# KiCad board LTC6811_ESP32_V3.kicad_pcb (continued)
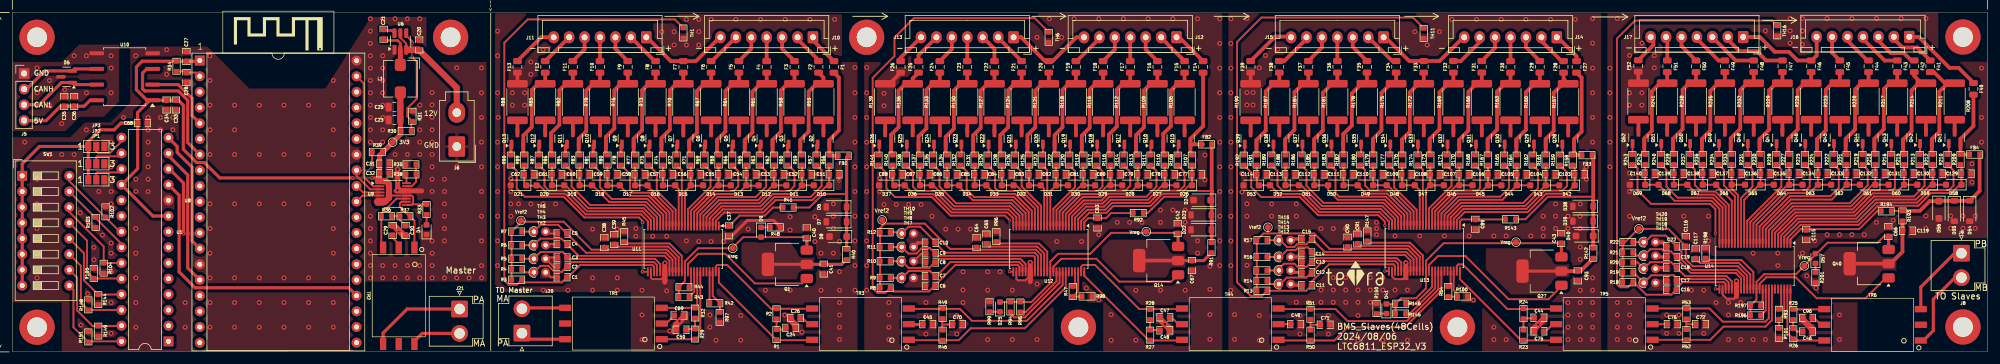
[diagram p0: board, top side]
## Routing (per net, layer and track width the routed paths; a pad name or vN(x,y) marks a point on that pad's centre or on a via; arc(x,y) is an arc through that point) (continued)
/Slaves/LTC6811_2/cell7/S: length 10.2
  Top w0.3: U12.13 167.65,29.41 166.82,30.23 R123.1
/Slaves/LTC6811_2/cell8/C: length 13.8
  Top w0.3: D30.1 R119.1 ; D30.1 D29.2 ; D30.1 173.16,26.96 169.15,22.95 U12.10
/Slaves/LTC6811_2/cell8/C+: length 15.6
  Top w0.6: R119.2 173.25,32.13 Q19.2 173.25,35.01 174.53,36.28 174.53,42.48 175.46,43.42 R115.1 F18.2
/Slaves/LTC6811_2/cell8/S: length 11.7
  Top w0.3: U12.11 168.65,23.16 172.15,26.66 172.15,29.28 R120.1
/Slaves/LTC6811_2/cell9/S: length 14.8
  Top w0.3: R117.1 176.6,29.23 176.6,26.8 175.86,26.06 172.96,26.06 169.65,22.74 U12.9
/Slaves/LTC6811_2/cell10/C: length 20.1
  Top w0.3: D28.1 R113.1 ; D28.1 180.95,25.61 177.53,25.61 176.43,24.51 173.54,24.51 171.15,22.12 U12.6 ; D28.1 D27.2
/Slaves/LTC6811_2/cell10/C+: length 15.5
  Top w0.6: F16.2 R109.1 184.41,43.42 183.32,42.33 183.32,36.38 182.05,35.11 Q17.2 182.05,32.13 R113.2
/Slaves/LTC6811_2/cell10/C-: length 15.6
  Top w0.6: F17.2 R112.1 179.86,43.42 178.93,42.48 178.93,36.48 177.65,35.21 Q18.2 177.65,32.13 R116.2
/Slaves/LTC6811_2/cell10/CM: length 16.9
  Top w0.3: D29.1 177.46,26.96 176.06,25.56 173.17,25.56 170.15,22.54 U12.8 ; D29.1 D28.2 ; D29.1 R116.1
/Slaves/LTC6811_2/cell10/S: length 18.1
  Top w0.3: U12.7 170.65,22.33 173.38,25.06 176.27,25.06 177.32,26.11 180.31,26.11 181.1,26.9 181.1,29.13 R114.1
/Slaves/LTC6811_2/cell11/C: length 23.2
  Top w0.3: D26.2 D27.1 ; D27.1 186.3,26.96 183.95,24.61 177.94,24.61 176.84,23.51 173.95,23.51 172.15,21.71 U12.4 ; D27.1 R110.1
/Slaves/LTC6811_2/cell11/C+: length 15.5
  Top w0.6: F15.2 R106.1 188.76,43.42 187.68,42.33 187.68,36.53 186.45,35.31 Q16.2 186.45,32.13 R110.2
/Slaves/LTC6811_2/cell11/S: length 21.1
  Top w0.3: U12.5 171.65,21.92 173.74,24.01 176.63,24.01 177.73,25.11 183.71,25.11 185.35,26.75 185.35,29.28 R111.1
/Slaves/LTC6811_2/cell12/C: length 24.4
  Top w0.3: R107.1 D26.1 190.66,26.96 189.31,25.61 186.36,25.61 184.36,23.61 178.36,23.61 177.26,22.51 174.45,22.51 173.15,21.21 U12.2
/Slaves/LTC6811_2/cell12/C+: length 16.3
  Top w0.6: F14.2 192.9,36.56 190.85,34.51 Q15.2 ; 192.9,33.61 190.86,33.61 Q15.2 ; R107.2 190.85,32.13 Q15.2
/Slaves/LTC6811_2/cell12/S: length 24.4
  Top w0.3: R108.1 189.9,29.13 189.9,26.9 189.11,26.11 186.16,26.11 184.16,24.11 178.15,24.11 177.05,23.01 174.16,23.01 172.65,21.5 U12.3
/Slaves/LTC6811_2/DRIVE: length 23.6
  Top w0.3: U12.38 168.65,13.79 169.92,15.06 175.6,15.06 179.3,11.36 187.75,11.36 Q14.1
/Slaves/LTC6811_2/IMA: length 30.2
  Top w0.3: U12.41 170.15,10.81 164.34,5 155.45,5 153.51,6.94 145.27,6.94
/Slaves/LTC6811_2/IMB: length 20.2
  Top w0.3: 189.48,6.9 182.56,6.9 175.4,14.06 173.42,14.06 173.15,13.79 U12.47
/Slaves/LTC6811_2/IPA: length 31.5
  Top w0.3: U12.42 170.65,10.41 164.04,3.8 155.25,3.8 153.31,1.86 145.27,1.86
/Slaves/LTC6811_2/IPB: length 20.8
  Top w0.3: 189.48,1.82 184.14,1.82 173.65,12.31 U12.48
/Slaves/LTC6811_2/T1: length 96.7
  Top w0.3: U12.27 163.15,13.79 162.9,14.03 152.75,14.03 148.47,9.76 142.82,9.76 R8.2 141.4,9.53 140.14,9.53 139.38,10.3 139.38,44.38 142.9,47.91 142.9,50.9 146.06,54.06 165.62,54.06 TH6.1
/Slaves/LTC6811_2/T2: length 24.4
  Top w0.3: U12.28 163.65,13.99 163.11,14.53 151.97,14.53 149.7,12.26 C7.1 148.65,13.08 145.22,13.08 TH7.1 R9.1
/Slaves/LTC6811_2/T3: length 24.6
  Top w0.3: R10.1 144.1,14.66 145.18,13.58 148.53,13.58 149.3,14.36 149.47,14.36 ; 149.47,14.26 150.25,15.03 163.32,15.03 164.15,14.2 U12.29
/Slaves/LTC6811_2/T4: length 27.2
  Top w0.3: U12.32 165.65,15.29 165.4,15.53 149.91,15.53 148.66,16.78 147.32,16.78 146.45,15.91 145.15,15.91 TH9.1 R11.1
/Slaves/LTC6811_2/T5: length 28.6
  Top w0.3: 149.38,17.96 147.07,20.26 145.19,20.26 144.29,19.36 R12.1 ; U12.33 166.15,15.49 165.61,16.03 151.1,16.03 149.48,17.66
/Slaves/LTC6811_2/Vref2: length 43.7
  Top w0.3: U12.34 166.65,15.7 165.82,16.53 156.55,16.53 ; 141.3,20.76 140.9,21.16 TP6.1 ; 141.3,20.76 147.8,20.76 151.9,16.66 156.43,16.66 156.55,16.53 ; 141.3,20.76 140.58,20.04 140.58,10.36 R8.1 140.57,11.91 ; 156.55,16.53 C64.1
/Slaves/LTC6811_2/Vreg: length 37.7
  Top w0.3: C42.1 188.7,19.26 178,19.26 174.6,15.86 169.4,15.86 168.15,14.61 U12.37 168.15,11.11 165.09,8.05 D25.2
  Top w0.5: Q14.3 188.85,19.11 C42.1
/Slaves/LTC6811_3/BAT+: length 29.2
  Top w0.3: R143.1 245.1,21.46 248.75,25.11 256.05,25.11
  Top w0.5: FB3.1 256.1,31.68
  Top w0.6: 256.1,31.68 D40.1 R142.1
/Slaves/LTC6811_3/C1: length 6.3
  Top w0.6: F38.1 206.05,47.11 209.65,50.71 209.65,51.07
/Slaves/LTC6811_3/C1_G: length 8.2
  Top w0.6: 207.15,51.07 204.56,51.07 F39.1
/Slaves/LTC6811_3/C2: length 4.9
  Top w0.6: F37.1 212.15,49.31 212.15,51.07
/Slaves/LTC6811_3/C3: length 4
  Top w0.6: F36.1 214.65,51.07
/Slaves/LTC6811_3/C4: length 4.9
  Top w0.6: F35.1 217.15,49.41 217.15,51.07
/Slaves/LTC6811_3/C5: length 6.2
  Top w0.6: 219.65,51.07 219.65,50.99 223.53,47.11 F34.1
/Slaves/LTC6811_3/C6: length 16.3
  Top w0.6: 222.15,51.07 222.33,51.07 226.29,47.11 F33.1 231.21,47.11 235.17,51.07 235.2,51.07
/Slaves/LTC6811_3/C7: length 6.4
  Top w0.6: 237.7,51.07 237.7,50.16 234.65,47.11 F32.1
/Slaves/LTC6811_3/C8: length 4.9
  Top w0.6: F31.1 240.2,49.26 240.2,51.07
/Slaves/LTC6811_3/C9: length 4
  Top w0.6: 242.7,51.07 F30.1
/Slaves/LTC6811_3/C10: length 4.9
  Top w0.6: 245.2,51.07 245.2,49.36 F29.1
/Slaves/LTC6811_3/C11: length 5.7
  Top w0.6: 247.7,51.07 247.7,50.36 250.96,47.1 F28.1
/Slaves/LTC6811_3/C12: length 5.3
  Top w0.6: 250.23,51.07 253.4,47.9 F27.1
/Slaves/LTC6811_3/cell1/C: length 27.7
  Top w0.3: U13.24 223,21.12 221.5,22.62 211.74,22.62 208.79,25.57 205.15,25.57 D52.2 201.61,26.97 201.6,26.96 R191.1
/Slaves/LTC6811_3/cell1/C+: length 15.5
  Top w0.6: F38.2 R187.1 204.28,43.43 203.05,42.21 203.05,35.81 201.55,34.31 Q39.2 201.55,31.93 R191.2
/Slaves/LTC6811_3/cell1/S: length 36.7
  Top w0.3: v1(222.35,13.07) 222.36,13.06 U13.25 ; v1(222.35,20.47) 222.35,21.06 221.29,22.12 211.53,22.12 208.58,25.07 202.29,25.07 200.7,26.66 200.7,29.03 R192.1
  Bottom w0.3: v1(222.35,13.07) v1(222.35,20.47)
/Slaves/LTC6811_3/cell2/C: length 24.3
  Top w0.3: U13.22 224,21.53 221.91,23.62 212.15,23.62 208.8,26.97 D51.2 D52.1 R188.1
/Slaves/LTC6811_3/cell2/C+: length 15.4
  Top w0.6: R188.2 206.2,31.95 Q38.2 206.2,34.46 207.7,35.96 207.7,42.06 209.07,43.43 R184.1 F37.2
/Slaves/LTC6811_3/cell2/S: length 25.5
  Top w0.3: U13.23 223.5,21.33 221.71,23.12 211.94,23.12 208.99,26.07 205.79,26.07 204.95,26.92 204.95,29.27 203.97,30.25 R189.1
/Slaves/LTC6811_3/cell3/C: length 21.3
  Top w0.3: R185.1 D51.1 D50.2 213.15,26.2 214.73,24.62 222.33,24.62 225,21.95 U13.20
/Slaves/LTC6811_3/cell3/C+: length 15.4
  Top w0.6: F36.2 R181.1 213.78,43.43 212.3,41.96 212.3,35.86 210.9,34.46 Q37.2 210.9,31.92 R185.2
/Slaves/LTC6811_3/cell3/S: length 21.9
  Top w0.3: R186.1 209.65,29.42 209.65,26.87 212.4,24.12 222.12,24.12 224.5,21.74 U13.21
/Slaves/LTC6811_3/cell4/C: length 17.4
  Top w0.3: U13.18 226,22.36 222.74,25.62 219.3,25.62 D49.2 D50.1 R182.1
/Slaves/LTC6811_3/cell4/C+: length 15.5
  Top w0.6: R182.2 215.6,31.95 Q36.2 215.6,35.26 217,36.66 217,41.86 218.57,43.43 R178.1 F35.2
/Slaves/LTC6811_3/cell4/S: length 19.2
  Top w0.3: U13.19 225.5,22.16 222.54,25.12 214.94,25.12 214.35,25.71 214.35,29.45 R183.1
/Slaves/LTC6811_3/cell5/C: length 13.9
  Top w0.3: R179.1 D49.1 222.81,26.97 227,22.78 U13.16
/Slaves/LTC6811_3/cell5/C+: length 15.4
  Top w0.6: R179.2 220.4,31.95 Q35.2 220.4,34.46 221.8,35.86 221.8,41.96 223.27,43.43 R175.1 F34.2
/Slaves/LTC6811_3/cell5/S: length 14.9
  Top w0.3: R180.1 219.15,29.45 219.15,26.92 219.94,26.12 222.95,26.12 226.5,22.57 U13.17
/Slaves/LTC6811_3/cell6/C: length 12.1
  Top w0.3: R176.1 D48.1 D47.2 228,26.17 U13.14
/Slaves/LTC6811_3/cell6/C+: length 15.3
  Top w0.6: R176.2 225.12,31.92 Q34.2 225.12,34.38 226.4,35.66 226.4,42.06 227.77,43.43 R172.1 F33.2
/Slaves/LTC6811_3/cell6/S: length 11.6
  Top w0.3: U13.15 227.5,22.98 223.85,26.63 223.85,29.47 223.07,30.25
/Slaves/LTC6811_3/cell7/C: length 12.2
  Top w0.3: D46.2 229.77,26.97 ; R173.1 D47.1 229,26.27 U13.12
/Slaves/LTC6811_3/cell7/C+: length 15.5
  Top w0.6: F32.2 R169.1 232.57,43.43 231.2,42.06 231.2,36.06 229.6,34.46 Q33.2 229.6,32 R173.2
/Slaves/LTC6811_3/cell7/S: length 10.2
  Top w0.3: 227.6,30.25 227.77,30.25 228.5,29.52 U13.13
/Slaves/LTC6811_3/cell8/C: length 14
  Top w0.3: U13.10 230,23.01 233.96,26.97 D46.1 ; D46.1 R170.1 ; D46.1 D45.2
/Slaves/LTC6811_3/cell8/C+: length 15.4
  Top w0.6: R170.2 Q32.2 234.4,34.36 235.88,35.83 235.88,42.13 237.18,43.43 R166.1 F31.2
/Slaves/LTC6811_3/cell8/S: length 11.6
  Top w0.3: R171.1 233.15,29.4 233.15,26.87 232.41,26.12 232.4,26.12 229.5,23.22 U13.11
/Slaves/LTC6811_3/cell9/S: length 15.2
  Top w0.3: R168.1 237.75,29.45 237.75,26.51 237.36,26.12 233.82,26.12 230.5,22.8 U13.9
/Slaves/LTC6811_3/cell10/C: length 20.9
  Top w0.3: R164.1 D44.1 ; D44.1 241.39,24.62 234.44,24.62 232,22.18 U13.6 ; D44.1 D43.2
/Slaves/LTC6811_3/cell10/C+: length 15.5
  Top w0.6: F29.2 R160.1 246.56,43.42 245.2,42.06 245.2,35.96 243.65,34.41 Q30.2 243.65,31.96 R164.2
/Slaves/LTC6811_3/cell10/C-: length 15.4
  Top w0.6: R167.2 239,31.95 Q31.2 239,34.46 240.52,35.98 240.52,42.18 241.77,43.43 R163.1 F30.2
/Slaves/LTC6811_3/cell10/CM: length 17.4
  Top w0.3: D45.1 239.01,26.97 237.66,25.62 234.03,25.62 231,22.59 U13.8 ; D45.1 241.21,26.97 D44.2 ; D45.1 R167.1
/Slaves/LTC6811_3/cell10/S: length 18.7
  Top w0.3: U13.7 231.5,22.39 234.23,25.12 241.06,25.12 242.45,26.51 242.45,29.57 241.79,30.23 241.68,30.23
/Slaves/LTC6811_3/cell11/C: length 24.3
  Top w0.3: D43.1 245.06,23.62 234.86,23.62 233,21.77 U13.4 ; D43.1 D42.2 ; D43.1 R161.1
/Slaves/LTC6811_3/cell11/C+: length 15.7
  Top w0.6: F28.2 251.3,44.17 R157.1 251.16,43.42 249.7,41.96 249.7,35.76 248.4,34.46 Q29.2 R161.2
/Slaves/LTC6811_3/cell11/S: length 22.1
  Top w0.3: U13.5 232.5,21.97 234.65,24.12 244.76,24.12 247.15,26.51 247.15,29.38 R162.1
/Slaves/LTC6811_3/cell12/C: length 25.6
  Top w0.3: 253.1,30.23 D42.1 251.75,25.61 248.46,25.61 245.48,22.62 235.27,22.62 234,21.35 U13.2
/Slaves/LTC6811_3/cell12/C+: length 15.5
  Top w0.6: FB3.2 253,31.86 Q28.2 253,34.46 254.23,35.68 254.23,44.4 F27.2
/Slaves/LTC6811_3/cell12/S: length 25.5
  Top w0.3: R159.1 251.85,29.08 251.85,26.85 251.11,26.11 248.26,26.11 245.27,23.12 235.06,23.12 233.5,21.56 U13.3
/Slaves/LTC6811_3/DRIVE: length 27
  Top w0.3: Q27.1 250.95,10.61 248.84,8.5 242.4,8.5 235.4,15.5 230.94,15.5 229.5,14.06 U13.38
/Slaves/LTC6811_3/IMA: length 31.8
  Top w0.3: 205.12,6.9 214.36,6.9 216.3,4.96 225.89,4.96 231,10.07 U13.41
/Slaves/LTC6811_3/IMB: length 20.1
  Top w0.3: TR5.4 249.98,6.9 242.2,6.9 234.95,14.15 234.25,14.15 234,13.9 U13.47
/Slaves/LTC6811_3/IPA: length 32.9
  Top w0.3: U13.42 231.5,9.86 225.59,3.95 216.29,3.95 214.16,1.82 205.12,1.82
/Slaves/LTC6811_3/IPB: length 21
  Top w0.3: U13.48 234.5,11.76 244.44,1.82 249.98,1.82 TR5.6
/Slaves/LTC6811_3/T1: length 101.5
  Top w0.3: TH11.1 226.91,54.16 202.36,54.16 198.4,50.2 198.4,11.26 200.61,9.05 202.43,9.05 R13.2 209.59,9.87 C11.1 210.47,11.33 213.3,14.16 223.74,14.16 224,13.9 U13.27
/Slaves/LTC6811_3/T2: length 24.1
  Top w0.3: TH12.1 203.76,10.96 R14.1 ; 205.4,10.96 206.45,12.01 209.62,12.01 C12.1 210.5,12.86 212.3,14.66 224.08,14.66 224.5,14.24 U13.28
/Slaves/LTC6811_3/T3: length 24.3
  Top w0.3: U13.29 225,14.45 224.29,15.16 211.07,15.16 C13.1 209.65,13.73 208.22,13.73 207.7,14.26 205.99,14.26 205.4,13.67 ; TH13.1 R15.1
/Slaves/LTC6811_3/T4: length 26.5
  Top w0.3: C14.1 210.89,15.66 225.61,15.66 226.5,14.77 U13.32 ; 205.4,15.36 206.5,16.46 207.88,16.46 208.32,16.9 209.89,16.9 210.72,16.07 ; TH14.1 R16.1
/Slaves/LTC6811_3/T5: length 27.8
  Top w0.3: U13.33 227,14.98 225.82,16.16 212.6,16.16 210.5,18.26 C15.1 209.61,17.4 208.11,17.4 207.67,16.96 206.51,16.96 205.4,18.07 ; TH15.1 203.26,18.06 R17.1
/Slaves/LTC6811_3/Vref2: length 39.6
  Top w0.3: U13.34 227.5,15.18 226.02,16.66 216.62,16.66 C90.1 215.97,16.66 213.4,16.66 210.9,19.16 202.69,19.16 R17.2 R13.1 ; 203.4,19.18 TP8.1
/Slaves/LTC6811_3/Vreg: length 38.8
  Top w0.3: D41.2 222.61,7.76 R146.2 ; R146.2 224.98,8.66 227.4,8.66 229,10.26 U13.37 229,14.73 229.84,15.57 229.85,15.57 231.86,17.58 C43.1 ; R146.2 R145.2
  Top w0.5: 250.95,17.53 Q27.3
/Slaves/LTC6811_4/BAT+: length 21.2
  Top w0.3: R193.1 304.57,22.82 304.5,22.76
  Top w0.6: R193.1 309.02,22.82 310.6,24.4 D56.1 312.15,24.45 D54.1 318.7,26.05 318.7,31.73
/Slaves/LTC6811_4/C1: length 3.9
  Top w0.6: J17.1 268.1,50.8 F51.1
/Slaves/LTC6811_4/C1_G: length 4.8
  Top w0.6: F52.1 265.85,49.69 265.85,51
/Slaves/LTC6811_4/C2: length 4.8
  Top w0.6: F50.1 270.4,49.55 J17.2
/Slaves/LTC6811_4/C3: length 6.3
  Top w0.6: J17.3 272.9,50.7 276.4,47.2 F49.1
/Slaves/LTC6811_4/C4: length 8.3
  Top w0.6: F48.1 279.18,47.2 275.4,50.98
/Slaves/LTC6811_4/C5: length 10.7
  Top w0.6: F47.1 284.1,47.2 282.6,48.7 279.8,48.7 277.9,50.6 J17.5
/Slaves/LTC6811_4/C6: length 16.4
  Top w0.6: 280.85,51 283.1,51 285.5,48.6 287.8,48.6 289.2,47.2 F46.1 291.5,47.2 292.3,48 J16.0
/Slaves/LTC6811_4/C7: length 4.3
  Top w0.6: J16.1 294.8,48.45 F45.1
/Slaves/LTC6811_4/C8: length 5.4
  Top w0.6: F44.1 300.5,47.2 297.3,50.4 J16.2
/Slaves/LTC6811_4/C9: length 7.3
  Top w0.6: J16.3 299.8,50.7 303.3,47.2 F43.1
/Slaves/LTC6811_4/C10: length 7.8
  Top w0.6: J16.4 302.3,50.4 304.3,48.4 306.43,48.4 307.63,47.2 F42.1
/Slaves/LTC6811_4/C11: length 7.7
  Top w0.6: J16.5 304.8,50.7 306.2,49.3 308.6,49.3 F41.1
/Slaves/LTC6811_4/C12: length 13.5
  Top w0.6: F40.1 317.7,43.6 315.3,46 313.82,46 308.8,51.03 J16.6
/Slaves/LTC6811_4/cell1/C: length 22.5
  Top w0.3: R242.1 D69.1 D68.2 269.27,24.46 275.25,24.46 276.55,23.16 U14.24
/Slaves/LTC6811_4/cell1/C+: length 15.6
  Top w0.6: R242.2 264.38,32.13 Q52.2 264.38,34.56 265.6,35.78 265.6,42.18 266.94,43.52 R238.1 268.07,45.3 F51.2
/Slaves/LTC6811_4/cell1/S: length 32.2
  Top w0.3: U14.25 275.91,10.15 v1(275.9,10.16) ; v1(275.9,19.16) 275.9,23.1 275.04,23.96 265.48,23.96 263.27,26.16 263.27,29.76 262.73,30.31 R243.1
  Bottom w0.3: v1(275.9,10.16) v1(275.9,19.16)
/Slaves/LTC6811_4/cell2/C: length 19.1
  Top w0.3: R239.1 D68.1 D67.2 272.95,25.46 275.66,25.46 277.55,23.57 U14.22
/Slaves/LTC6811_4/cell2/C+: length 15.6
  Top w0.6: F50.2 R235.1 271.64,43.52 270.57,42.46 270.57,36.06 269.02,34.51 Q51.2 269.02,32.13 R239.2
/Slaves/LTC6811_4/cell2/S: length 20.2
  Top w0.3: U14.23 277.05,23.36 275.46,24.96 269.77,24.96 267.98,26.76 267.98,29.43 R240.1
/Slaves/LTC6811_4/cell3/C: length 15.9
  Top w0.3: U14.20 278.55,24.45 275.94,27.06 D67.1 R236.1
/Slaves/LTC6811_4/cell3/C+: length 15.6
  Top w0.6: R236.2 273.7,32.13 Q50.2 273.7,34.48 275.07,35.86 275.07,42.26 276.34,43.52 R232.1 F49.2
/Slaves/LTC6811_4/cell3/S: length 16.7
  Top w0.3: R237.1 272.57,29.51 272.57,26.98 273.59,25.96 275.87,25.96 278.05,23.78 U14.21
/Slaves/LTC6811_4/cell4/C: length 15.6
  Top w0.3: U14.18 279.55,25.38 278.52,26.41 D66.1 ; D66.1 D65.2 280.7,26.87 ; D66.1 R233.1
/Slaves/LTC6811_4/cell4/C+: length 15.6
  Top w0.6: R233.2 278.38,32.13 Q49.2 278.38,34.58 279.93,36.13 279.93,42.41 281.04,43.52 R229.1 F48.2
/Slaves/LTC6811_4/cell4/S: length 13.8
  Top w0.3: U14.19 279.05,25.18 277.27,26.95 277.27,29.48 R234.1
/Slaves/LTC6811_4/cell5/C: length 16.1
  Top w0.3: D64.2 D65.1 ; D65.1 283,27.06 280.55,24.61 U14.16 ; D65.1 R230.1
/Slaves/LTC6811_4/cell5/C+: length 15.5
  Top w0.6: R230.2 283.05,32.13 Q48.2 283.05,34.43 284.57,35.96 284.57,42.36 285.74,43.52 R226.1 F47.2
/Slaves/LTC6811_4/cell5/S: length 13.9
  Top w0.3: U14.17 280.05,24.91 281.9,26.76 281.9,29.53 R231.1
/Slaves/LTC6811_4/cell6/C: length 17.7
  Top w0.3: U14.14 281.55,21.01 287.6,27.06 D64.1 ; D64.1 D63.2 ; D64.1 R227.1
/Slaves/LTC6811_4/cell6/C+: length 15.6
  Top w0.6: R227.2 287.7,32.13 Q47.2 287.7,34.48 289.23,36.01 289.23,42.41 290.34,43.52 R223.1 F46.2
/Slaves/LTC6811_4/cell6/S: length 15.4
  Top w0.3: U14.15 281.05,21.22 286.57,26.74 286.57,29.51 R228.1
/Slaves/LTC6811_4/cell7/C: length 21.1
  Top w0.3: D63.1 292.48,27.06 291.12,25.71 287.66,25.71 282.55,20.59 U14.12 ; D63.1 R224.1 ; D63.1 D62.2
/Slaves/LTC6811_4/cell7/C+: length 15.6
  Top w0.6: F45.2 R220.1 294.84,43.52 293.77,42.46 293.77,35.86 292.35,34.43 Q46.2 292.35,32.13 R224.2
/Slaves/LTC6811_4/cell7/S: length 18.7
  Top w0.3: U14.13 282.05,20.8 287.46,26.21 290.62,26.21 291.18,26.76 291.18,29.56 R225.1
/Slaves/LTC6811_4/cell8/C: length 24.4
  Top w0.3: R221.1 D62.1 ; D62.1 294.75,24.66 288.11,24.66 283.55,20.1 U14.10 ; D62.1 D61.2
/Slaves/LTC6811_4/cell8/C+: length 15.6
  Top w0.6: F44.2 R217.1 299.54,43.52 298.52,42.51 298.52,36.01 297,34.48 Q45.2 297,32.13 R221.2
/Slaves/LTC6811_4/cell8/S: length 22.3
  Top w0.3: U14.11 283.05,20.31 287.95,25.21 294.52,25.21 295.88,26.56 295.88,29.56 295.1,30.33 R222.1
/Slaves/LTC6811_4/cell9/S: length 25.5
  Top w0.3: R219.1 300.57,29.46 300.57,26.98 297.66,24.06 288.21,24.06 284.05,19.89 U14.9
/Slaves/LTC6811_4/cell10/C: length 31.3
  Top w0.3: U14.6 285.55,19.27 288.84,22.56 298.28,22.56 301.38,25.66 305.05,25.66 D60.1 ; D59.2 D60.1 ; D60.1 R215.1
/Slaves/LTC6811_4/cell10/C+: length 16.8
  Top w0.6: R215.2 306.3,32.13 Q43.2 306.3,34.38 307.68,35.76 307.68,42.36 308.84,43.52 R211.1 309.28,43.52 308.1,44.7 F42.2
/Slaves/LTC6811_4/cell10/C-: length 15.6
  Top w0.6: R218.2 301.65,32.13 Q44.2 301.65,34.53 303.18,36.06 303.18,42.56 304.14,43.52 R214.1 F43.2
/Slaves/LTC6811_4/cell10/CM: length 27.8
  Top w0.3: D60.2 D61.1 ; D61.1 R218.1 ; D61.1 301.36,27.06 297.86,23.56 288.42,23.56 284.55,19.69 U14.8
/Slaves/LTC6811_4/cell10/S: length 28.8
  Top w0.3: R216.1 304.98,29.71 304.98,26.56 304.57,26.16 301.17,26.16 298.07,23.06 288.63,23.06 285.05,19.48 U14.7
/Slaves/LTC6811_4/cell11/C: length 34.7
  Top w0.3: R212.1 D59.1 ; D59.1 D58.2 ; D59.1 310.77,27.06 308.38,24.66 301.79,24.66 298.69,21.56 289.25,21.56 286.55,18.86 U14.4
/Slaves/LTC6811_4/cell11/C+: length 18.5
  Top w0.6: R212.2 310.95,32.13 Q42.2 310.95,34.43 312.18,35.66 312.18,42.16 313.54,43.52 R208.1 313.08,43.52 311.28,45.32 F41.2
/Slaves/LTC6811_4/cell11/S: length 32.2
  Top w0.3: U14.5 286.05,19.07 289.04,22.06 298.48,22.06 301.58,25.16 308.06,25.16 309.77,26.88 309.77,29.56 R213.1
/Slaves/LTC6811_4/cell12/C: length 35.9
  Top w0.3: 315.75,30.33 D58.1 315.48,27.06 314.12,25.71 310.84,25.71 308.79,23.66 302.21,23.66 299.11,20.56 289.7,20.56 287.55,18.41 U14.2
/Slaves/LTC6811_4/cell12/C+: length 11.9
  Top w0.6: FB4.2 315.77,31.96 315.6,32.13 Q41.2 315.6,34.48 317.7,36.58 F40.2
/Slaves/LTC6811_4/cell12/S: length 35.7
  Top w0.3: U14.3 287.05,18.65 289.46,21.06 298.9,21.06 302,24.16 308.58,24.16 310.63,26.21 313.76,26.21 314.48,26.93 314.48,29.36 R210.1
/Slaves/LTC6811_4/DRIVE: length 25
  Top w0.3: Q40.1 303.5,11.96 300.2,8.66 292.3,8.66 288.9,12.06 284.12,12.06 283.05,10.99 U14.38
/Slaves/LTC6811_4/IMA: length 24.7
  Top w0.3: U14.41 284.55,5.41 284,4.86 277.1,4.86 274.96,7 TR5.3
/Slaves/LTC6811_4/IMB: length 13.7
  Top w0.3: U14.47 287.55,3.03 288.77,1.8 293.56,1.8 293.58,1.82
/Slaves/LTC6811_4/IPA: length 25.5
  Top w0.3: 265.92,1.92 275.06,1.92 277.2,4.06 284,4.06 285.05,5.11 U14.42
/Slaves/LTC6811_4/IPB: length 8.6
  Top w0.3: U14.48 288.05,7.31 R25.2 293.54,6.86 293.58,6.9
/Slaves/LTC6811_4/T1: length 88
  Top w0.3: 269.57,10.26 270.57,11.26 277.28,11.26 277.55,10.99 U14.27 ; C16.1 268.75,9.23 264.69,9.23 262.66,11.26 R18.2 261.7,10.43 260.43,10.43 259.95,10.91 259.95,50.75 262.86,53.66 285.07,53.66 TH16.1
/Slaves/LTC6811_4/T2: length 18.2
  Top w0.3: U14.28 278.05,11.19 277.49,11.76 269.77,11.76 269.14,12.38 265.52,12.38 TH17.1 262.6,12.86
/Slaves/LTC6811_4/T3: length 19.4
  Top w0.3: R20.1 263.3,14.46 TH18.1 265.35,14.51 268.72,14.51 C18.1 270.97,12.26 277.69,12.26 278.55,11.4 U14.29
/Slaves/LTC6811_4/T4: length 22
  Top w0.3: R21.1 263.02,15.56 TH19.1 265.35,16.61 267.2,16.61 267.58,16.23 268.72,16.23 269.6,15.36 ; U14.32 280.05,11.89 279.18,12.76 271.9,12.76 269.6,15.06 269.6,15.36
/Slaves/LTC6811_4/T5: length 24
  Top w0.3: 269.6,17.06 269.34,17.06 ; 269.6,17.06 267.85,18.81 265.55,18.81 264.5,17.76 ; 269.6,17.06 270.39,16.26 270.39,14.97 272.11,13.26 279.39,13.26 280.55,12.09 U14.33 ; TH20.1 R22.1
/Slaves/LTC6811_4/Vref2: length 33.6
  Top w0.3: U14.34 281.05,12.3 279.49,13.86 272.21,13.86 271.1,14.97 271.1,17.16 ; C116.1 268.27,19.91 263.42,19.91 260.88,17.37 260.88,11.66
/Slaves/LTC6811_4/Vreg: length 32.4
  Top w0.3: C66.1 303.18,18.68 302.16,17.66 294.06,17.66 288.96,12.56 283.8,12.56 282.55,11.31 U14.37 282.55,8.43 R197.2 R196.2
  Top w0.5: 303.95,18.66 Q40.3
/Slaves/MA: length 7.1
  Top w0.5: TR1.4 82.69,7.1 J20.2
/Slaves/MB: length 13.8
  Top w0.5: J9.2 314.7,12 311.2,8.5 311.2,3.4 309.62,1.82 TR6.1
/Slaves/PA: length 7.4
  Top w0.5: TR1.6 83.53,2.02 J20.1
/Slaves/PB: length 12.4
  Top w0.5: TR6.3 309.17,10.47 314.66,15.96 J9.1
Net-(C24-Pad1): length 3.4
  Top w0.3: R2.2 R1.1 125.05,3.58 C24.1
Net-(C26-Pad1): length 2.4
  Top w0.3: TR3.5 129,4.46 128,5.46 C26.1
Net-(C29-Pad1): length 2.4
  Top w0.3: TR2.2 62.6,17.46 61.6,18.46 C29.1
Net-(C30-Pad2): length 3.3
  Top w0.3: C30.2 62.78,21.36 62.78,21.96 R36.1
Net-(C41-Pad1): length 13
  Top w0.5: Q1.4 C41.1 134.32,14.16 R40.2
Net-(C44-Pad1): length 3.6
  Top w0.3: R23.1 R24.2 244.87,5.4 246.52,5.4
Net-(C45-Pad1): length 2.2
  Top w0.5: 147.47,4.4 145.27,4.4
Net-(C46-Pad2): length 3.1
  Top w0.3: 290.02,3.26 289.12,3.26 288.5,3.88 R25.1
Net-(C47-Pad1): length 2.5
  Top w0.3: C47.1 187.8,5.56 189,4.36 189.48,4.36
Net-(C48-Pad1): length 3.3
  Top w0.3: R28.2 R27.1 185.88,3.51 C48.1
Net-(C49-Pad1): length 2
  Top w0.3: TR4.2 C49.1
Net-(C50-Pad1): length 3.3
  Top w0.3: R32.2 R29.1 109.22,3.68 C50.1
Net-(C67-Pad1): length 12.2
  Top w0.5: R91.2 194.25,16.01 193,14.76 Q14.2
  Top w0.6: Q14.2 Q14.4
Net-(C69-Pad1): length 2.6
  Top w0.3: TR1.2 105.93,4.56 C69.1
Net-(C70-Pad1): length 3.5
  Top w0.3: 150.65,4.4 150.65,5.3 ; 150.65,4.4 150.65,3.45 ; 150.65,4.4 152.28,4.4
Net-(C71-Pad1): length 3.3
  Top w0.3: C71.1 210.3,4.36 ; 210.3,4.36 R51.2 ; 210.3,4.36 R50.1
Net-(C72-Pad1): length 3.3
  Top w0.3: C72.1 271.2,4.46 ; 271.2,4.46 R52.1 ; 271.2,4.46 R53.2
Net-(C75-Pad1): length 2.4
  Top w0.3: TR5.5 249.56,4.46 248.5,3.4 248.07,3.4
Net-(C76-Pad1): length 2.4
  Top w0.3: TR5.2 C76.1
Net-(C93-Pad1): length 12.3
  Top w0.5: R142.2 256.1,15.1 ; Q27.2 Q27.4
  Top w0.6: Q27.2 254.06,13.06 256.1,15.1
Net-(C96-Pad1): length 2.5
  Top w0.3: C96.1 291.9,5.46 293,4.36 TR6.5 293.58,4.36
Net-(C119-Pad1): length 14.3
  Top w0.6: Q40.4 Q40.2 304.26,14.26 306.2,16.2 R193.2
Net-(D4-A): length 1.7
  Top w0.3: R33.1 D4.2
Net-(D9-K): length 1.5
  Top w0.3: D9.1 122.76,20.15
Net-(D25-K): length 1.7
  Top w0.3: D25.1 158.32,6.47
Net-(D41-K): length 1.6
  Top w0.3: R150.1 221.01,6.17 D41.1
Net-(D57-K): length 1.5
  Top w0.3: R201.1 D57.1
Net-(JP1-C): length 5.4
  Top w0.3: U1.17 17.13,29.06 13.75,29.06 13.6,28.91 JP1.2
Net-(JP2-C): length 5.4
  Top w0.3: JP2.2 13.6,31.51 13.75,31.66 17.19,31.66 U1.16
Net-(JP3-C): length 6.2
  Top w0.3: U1.15 17.68,34.09 15.75,32.16 13.92,32.16 13.6,32.48 13.6,33.06
Net-(Q2-D): length 2
  Top w0.6: Q2.3 131.4,37.53
Net-(Q2-G): length 1.8
  Top w0.5: Q2.1 130.3,33.47 R57.2
Net-(Q3-D): length 2
  Top w0.6: Q3.3 126.7,37.53
Net-(Q3-G): length 1.8
  Top w0.5: Q3.1 125.6,33.47 R60.2
Net-(Q4-D): length 2
  Top w0.6: Q4.3 122.2,37.53
Net-(Q4-G): length 1.8
  Top w0.5: Q4.1 121.1,33.47 R63.2
Net-(Q5-D): length 2
  Top w0.6: Q5.3 117.7,37.53
Net-(Q5-G): length 1.8
  Top w0.5: Q5.1 116.6,33.47 R66.2
Net-(Q6-D): length 2
  Top w0.6: Q6.3 113.2,37.53
Net-(Q6-G): length 1.8
  Top w0.5: R69.2 112.1,33.47 Q6.1
Net-(Q7-D): length 2
  Top w0.6: Q7.3 108.7,37.53
Net-(Q7-G): length 1.8
  Top w0.5: R72.2 107.6,33.47 Q7.1
Net-(Q8-D): length 2
  Top w0.6: Q8.3 104.2,37.53
Net-(Q8-G): length 1.8
  Top w0.5: Q8.1 103.1,33.47 R75.2
Net-(Q9-D): length 2
  Top w0.6: Q9.3 99.7,37.53
Net-(Q9-G): length 1.8
  Top w0.5: Q9.1 98.6,33.47 R78.2
Net-(Q10-D): length 2
  Top w0.6: Q10.3 95.2,37.53
Net-(Q10-G): length 1.8
  Top w0.5: R81.2 94.1,33.47 Q10.1
Net-(Q11-D): length 2
  Top w0.6: Q11.3 90.8,37.53
Net-(Q11-G): length 1.8
  Top w0.5: Q11.1 89.6,33.37 R84.2
Net-(Q12-D): length 2
  Top w0.6: Q12.3 86.33,37.53
Net-(Q12-G): length 1.8
  Top w0.5: R87.2 85.3,33.55 Q12.1
Net-(Q13-D): length 2
  Top w0.6: Q13.3 81.83,37.53
Net-(Q13-G): length 1.8
  Top w0.5: Q13.1 80.78,33.52 R90.2
Net-(Q15-D): length 2
  Top w0.6: Q15.3 R106.2
Net-(Q15-G): length 1.8
  Top w0.3: R108.2 188.8,33.47 Q15.1
Net-(Q16-D): length 2
  Top w0.6: Q16.3 R109.2
Net-(Q16-G): length 1.8
  Top w0.3: R111.2 184.4,33.47 Q16.1
Net-(Q17-D): length 2
  Top w0.6: Q17.3 R112.2
Net-(Q17-G): length 1.8
  Top w0.3: R114.2 180.15,32.03 Q17.1
Net-(Q18-D): length 2
  Top w0.6: Q18.3 R115.2
Net-(Q18-G): length 1.8
  Top w0.3: R117.2 175.75,32.03 Q18.1
Net-(Q19-D): length 2
  Top w0.6: Q19.3 R118.2
Net-(Q19-G): length 1.8
  Top w0.3: Q19.1 171.35,32.03 R120.2
Net-(Q20-D): length 2
  Top w0.6: Q20.3 R121.2
Net-(Q20-G): length 1.8
  Top w0.3: Q20.1 166.95,32.03 R123.2
Net-(Q21-D): length 2
  Top w0.6: Q21.3 R124.2
Net-(Q21-G): length 1.8
  Top w0.3: Q21.1 162.55,32.03 R126.2
Net-(Q22-D): length 2
  Top w0.6: Q22.3 R127.2
Net-(Q22-G): length 1.8
  Top w0.3: R129.2 158.15,32.03 Q22.1
Net-(Q23-D): length 2
  Top w0.6: R130.2 Q23.3
Net-(Q23-G): length 1.8
  Top w0.3: Q23.1 153.75,32.03 R132.2
Net-(Q24-D): length 2
  Top w0.6: Q24.3 R133.2
Net-(Q24-G): length 1.8
  Top w0.3: Q24.1 149.3,32.03 R135.2
Net-(Q25-D): length 2
  Top w0.6: Q25.3 R136.2
Net-(Q25-G): length 1.8
  Top w0.3: Q25.1 144.9,32.03 R138.2
Net-(Q26-D): length 2
  Top w0.6: Q26.3 R139.2
Net-(Q26-G): length 1.8
  Top w0.3: Q26.1 140.45,32.03 R141.2
Net-(Q28-D): length 2
  Top w0.6: Q28.3 R157.2
Net-(Q28-G): length 1.9
  Top w0.3: Q28.1 251.1,32.28 R159.2
Net-(Q29-D): length 2
  Top w0.6: Q29.3 R160.2
Net-(Q29-G): length 1.8
  Top w0.3: R162.2 246.5,32.08 Q29.1
Net-(Q30-D): length 2
  Top w0.6: Q30.3 R163.2
Net-(Q30-G): length 1.8
  Top w0.3: Q30.1 241.75,31.98 R165.2
Net-(Q31-D): length 2
  Top w0.6: Q31.3 R166.2
Net-(Q31-G): length 1.8
  Top w0.3: Q31.1 237.1,32.05 R168.2
Net-(Q32-D): length 2
  Top w0.6: R169.2 Q32.3
Net-(Q32-G): length 1.8
  Top w0.3: Q32.1 232.5,32.1 R171.2
Net-(Q33-D): length 2
  Top w0.6: Q33.3 R172.2
Net-(Q33-G): length 1.8
  Top w0.3: Q33.1 227.7,31.95 R174.2
Net-(Q34-D): length 2
  Top w0.6: Q34.3 R175.2
Net-(Q34-G): length 1.8
  Top w0.3: Q34.1 223.23,32.07 R177.2
Net-(Q35-D): length 2
  Top w0.6: Q35.3 R178.2
Net-(Q35-G): length 1.8
  Top w0.3: Q35.1 218.5,32.05 R180.2
Net-(Q36-D): length 2
  Top w0.6: Q36.3 R181.2
Net-(Q36-G): length 1.8
  Top w0.3: R183.2 213.7,32.05 Q36.1
Net-(Q37-D): length 2
  Top w0.6: Q37.3 R184.2
Net-(Q37-G): length 1.8
  Top w0.3: R186.2 209,32.07 Q37.1
Net-(Q38-D): length 2
  Top w0.6: R187.2 Q38.3
Net-(Q38-G): length 1.9
  Top w0.3: R189.2 204.3,32.25 Q38.1
Net-(Q39-D): length 2
  Top w0.6: Q39.3 R190.2
Net-(Q39-G): length 1.8
  Top w0.3: Q39.1 199.65,32.03 R192.2
Net-(Q41-D): length 2
  Top w0.6: Q41.3 R208.2
Net-(Q41-G): length 1.8
  Top w0.3: Q41.1 313.7,32.03 313.65,31.98
Net-(Q42-D): length 2
  Top w0.6: R211.2 Q42.3
Net-(Q42-G): length 1.8
  Top w0.3: R213.2 309.05,32.03 Q42.1
Net-(Q43-D): length 2
  Top w0.6: R214.2 Q43.3
Net-(Q43-G): length 1.8
  Top w0.3: R216.2 304.4,32.03 Q43.1
Net-(Q44-D): length 2
  Top w0.6: Q44.3 R217.2
Net-(Q44-G): length 1.8
  Top w0.3: Q44.1 299.75,32.03 R219.2
Net-(Q45-D): length 2
  Top w0.6: R220.2 Q45.3
Net-(Q45-G): length 1.8
  Top w0.3: R222.2 295.1,32.03 Q45.1
Net-(Q46-D): length 2
  Top w0.6: R223.2 Q46.3
Net-(Q46-G): length 1.8
  Top w0.3: Q46.1 290.45,32.03 R225.2
Net-(Q47-D): length 2
  Top w0.6: R226.2 Q47.3
Net-(Q47-G): length 1.8
  Top w0.3: Q47.1 285.8,32.03 R228.2
Net-(Q48-D): length 2
  Top w0.6: R229.2 Q48.3
Net-(Q48-G): length 1.8
  Top w0.3: Q48.1 281.15,32.03 R231.2
Net-(Q49-D): length 2
  Top w0.6: R232.2 Q49.3
Net-(Q49-G): length 1.8
  Top w0.3: Q49.1 276.48,32.03 R234.2
Net-(Q50-D): length 2
  Top w0.6: R235.2 Q50.3
Net-(Q50-G): length 1.8
  Top w0.3: Q50.1 271.8,32.03 R237.2
Net-(Q51-D): length 2
  Top w0.6: R238.2 Q51.3
Net-(Q51-G): length 1.8
  Top w0.3: Q51.1 267.12,32.03 R240.2
Net-(Q52-D): length 2
  Top w0.6: R241.2 Q52.3
Net-(Q52-G): length 1.8
  Top w0.3: R243.2 262.48,32.01 Q52.1
Net-(U1-GPA0): length 12.7
  Top w0.3: SW1.16 9.22,27.64 17.41,19.45 U1.21
Net-(U1-GPA1): length 12.6
  Top w0.3: SW1.15 9.22,25.94 17.68,17.48 U1.22
Net-(U1-GPA2): length 14.3
  Top w0.3: SW1.14 9.22,22.64 14.8,17.06 14.8,14.38 14.79,14.37 U1.23
Net-(U1-GPA3): length 15.2
  Top w0.3: SW1.13 12.1,18 12.1,12.96 R105.2 17.65,11.86 U1.24
Net-(U1-GPA4): length 14.8
  Top w0.3: SW1.12 11.6,15.96 11.6,11.56 R144.2 17.65,9.26 U1.25 17.67,9.29
Net-(U1-GPA5): length 15.7
  Top w0.3: SW1.11 11.1,13.92 11.1,7.96 R148.2 17.67,6.76 U1.26
Net-(U1-GPA6): length 15.4
  Top w0.3: U1.27 17.63,4.16 R149.2 13,4.16 10.5,6.66 10.5,11.98 SW1.10
Net-(U1-GPA7): length 15.9
  Top w0.3: SW1.9 9.9,10.04 9.9,3.96 R151.2 12.41,1.67 U1.28
Net-(U6-CB): length 1.9
  Top w0.4: 60.18,52.06 61.47,52.06 U6.6
Net-(U6-FB): length 17.6
  Top w0.3: U6.4 63.81,51.23 64.81,50.23 v1(64.81,50.01) ; v1(64.77,47.76) 65.5,47.03 65.5,40.96 63.97,39.43 63.97,38.16 R31.1 64.62,37.16 R30.1
  Bottom w0.3: v1(64.81,50.01) 64.77,49.97 v1(64.77,47.76)
Net-(U6-SW): length 6.5
  Top w0.4: C21.1 60.4,50.44 62.42,50.44 62.86,50 U6.2
  Top w0.8: U6.2 L1.1
Net-(U9-IBIAS): length 1.5
  Top w0.3: U9.16 63.85,28.72 63.89,28.76
Net-(U9-ICMP): length 4.5
  Top w0.3: 65.4,28.62 65.4,27.53 64.68,26.81 U9.15 ; R38.1 R35.2
Net-(U11-DTEN): length 12.9
  Top w0.3: R45.1 99.4,17.53 106.45,17.53 108.45,15.54 U11.36
Net-(U11-IBIAS): length 5.1
  Top w0.3: R42.1 112.95,7.88 U11.45
Net-(U11-ICMP): length 7.1
  Top w0.3: R97.1 114.62,6.41 R42.2 113.45,9.03 U11.46
Net-(U11-ISOMD): length 4.4
  Top w0.3: R43.1 110.45,9.68 U11.40
Net-(U11-V+): length 11.3
  Top w0.3: U11.1 116.11,20.37 117.8,22.06 121.9,22.06 123.2,23.36 124.47,23.36
Net-(U11-Vref1): length 13.7
  Top w0.3: C39.1 97.85,17.03 106.25,17.03 107.95,15.33 U11.35
Net-(U11-WDT): length 2.6
  Top w0.3: U11.39 109.95,10.78 R44.1
Net-(U12-DTEN): length 12.2
  Top w0.3: U12.36 167.65,16.21 166.32,17.53 159.7,17.53 R96.1
Net-(U12-IBIAS): length 2.5
  Top w0.3: U12.45 172.15,10.93 R47.1
Net-(U12-ICMP): length 5.8
  Top w0.3: U12.46 172.65,9.78 R47.2 173.25,8.93
Net-(U12-ISOMD): length 12.5
  Top w0.3: U12.40 169.65,11.19 164.01,5.56 162.3,5.56 161.7,6.16 R94.1
Net-(U12-V+): length 9.2
  Top w0.3: 173.66,20.36 U12.1 173.65,21 174.28,21.63 177.18,21.63 178,22.46 R92.2
Net-(U12-Vref1): length 13
  Top w0.3: C65.1 158.25,17.03 166.03,17.03 167.15,15.91 U12.35
Net-(U12-WDT): length 9.5
  Top w0.3: U12.39 169.15,11.4 164.17,6.42 R95.1
Net-(U13-DTEN): length 12.5
  Top w0.3: R147.1 219.77,17.66 226.44,17.66 228.5,15.6 U13.36
Net-(U13-IBIAS): length 2.6
  Top w0.3: U13.45 233,10.98 R54.1
Net-(U13-ICMP): length 5.8
  Top w0.3: R54.2 234.07,8.93 ; R100.1 234.1,9.36 233.5,9.96 U13.46
Net-(U13-ISOMD): length 9.3
  Top w0.3: U13.40 230.5,10.27 226.39,6.16 R145.1
Net-(U13-V+): length 8.1
  Top w0.3: U13.1 234.5,21.14 234.79,21.43 C89.1 241.85,21.43
Net-(U13-Vref1): length 13.3
  Top w0.3: C91.1 218.23,17.16 226.23,17.16 228,15.39 U13.35
Net-(U13-WDT): length 8
  Top w0.3: U13.39 230,10.48 227.28,7.76 R146.1
Net-(U14-DTEN): length 11.4
  Top w0.3: R198.1 274.57,14.86 280.1,14.86 282.05,12.91 U14.36
Net-(U14-IBIAS): length 3.4
  Top w0.3: U14.45 286.55,7.23 R93.1
Net-(U14-ICMP): length 6.7
  Top w0.3: U14.46 287.05,6.08 R93.2 R101.1
Net-(U14-ISOMD): length 4.6
  Top w0.3: R196.1 284.05,6.68 U14.40
Net-(U14-V+): length 17.3
  Top w0.3: U14.1 288.05,18.2 289.7,19.86 299.18,19.86 302.07,22.76 302.85,22.76
Net-(U14-Vref1): length 12.3
  Top w0.3: C117.1 273.43,14.36 279.7,14.36 281.55,12.51 U14.35
Net-(U14-WDT): length 2.8
  Top w0.3: R197.1 283.55,7.78 U14.39
unconnected-(J8-Pin_1-Pad1): length 0.9
  Top w0.5: 315.21,1.82 315.85,2.46

## Copper pours and planes (outline as drawn; the poured copper is in the pictures)
GND on Top, Bottom: 76.8,54.26 76.9,11.36 56.8,11.36 56.8,0.06 0,-0.04 0,34.76 9.4,34.76 11.8,37.16 15.9,37.16 19.1,40.36 19.1,49.46 31.6,49.46 38.4,42.66 50.7,42.66 58.1,54.26
GND_PACK on Top, Bottom: 78.2,54.86 78.2,10.86 79.5,9.66 100.2,9.66 100.2,0.06 136.9,-0.34 136.9,54.66
GND_PACK on Top, Bottom: 197,54.86 197,-0.14 257.4,-0.04 257.4,54.86
GND_PACK on Top, Bottom: 258.4,54.86 258.4,-0.14 298.9,-0.04 298.9,8.86 306.5,8.86 306.5,18.4 320,18.4 320,54.96
GND_PACK on Top, Bottom: 138,54.86 138,-0.14 196,-0.04 196,54.86
/CAN/CAN_GND on Top, Bottom: 17.3,49.76 17.3,40.56 14.8,38.06 10.9,38.06 8.6,35.76 0,35.76 0,46.96 8,46.96 10.8,49.76
Net-(C41-Pad1) on Top: 129.9,15.36 127.7,15.36 126.8,16.66 126,17.76 118.1,17.76 118.1,11.66 126.9,11.66 128.1,13.16 129.9,13.16
Net-(C67-Pad1) on Top: 190.05,16.06 187.75,16.06 186.35,18.16 176.5,18.16 176.5,11.76 186.65,11.76 188.05,13.56 190.05,13.56
Net-(C93-Pad1) on Top: 252.2,14.36 250.1,14.36 247.7,16.76 238.7,16.76 238.7,13.3 242.8,9.26 247.5,9.26 250.3,12.06 252.2,12.06
Net-(C119-Pad1) on Top: 305.2,15.56 302.9,15.56 301,17.46 294.9,17.4 293.2,15.7 293.2,9.46 299.5,9.46 303,12.96 305.2,12.96

## Text on the board
B.Silkscreen: BMS_Master / LTC6811_ESP32_V3 / 2024/08/06
F.Silkscreen: V-cut--> | 12V / GND | GND / CANH / CANL / 5V | TO Master | Master | PA | MA | - | + | BMS_Slaves(48Cells) / 2024/08/06 / LTC6811_ESP32_V3 | TO Slaves | PB | MB
